# KiCad board einkPDA_keyboard.kicad_pcb
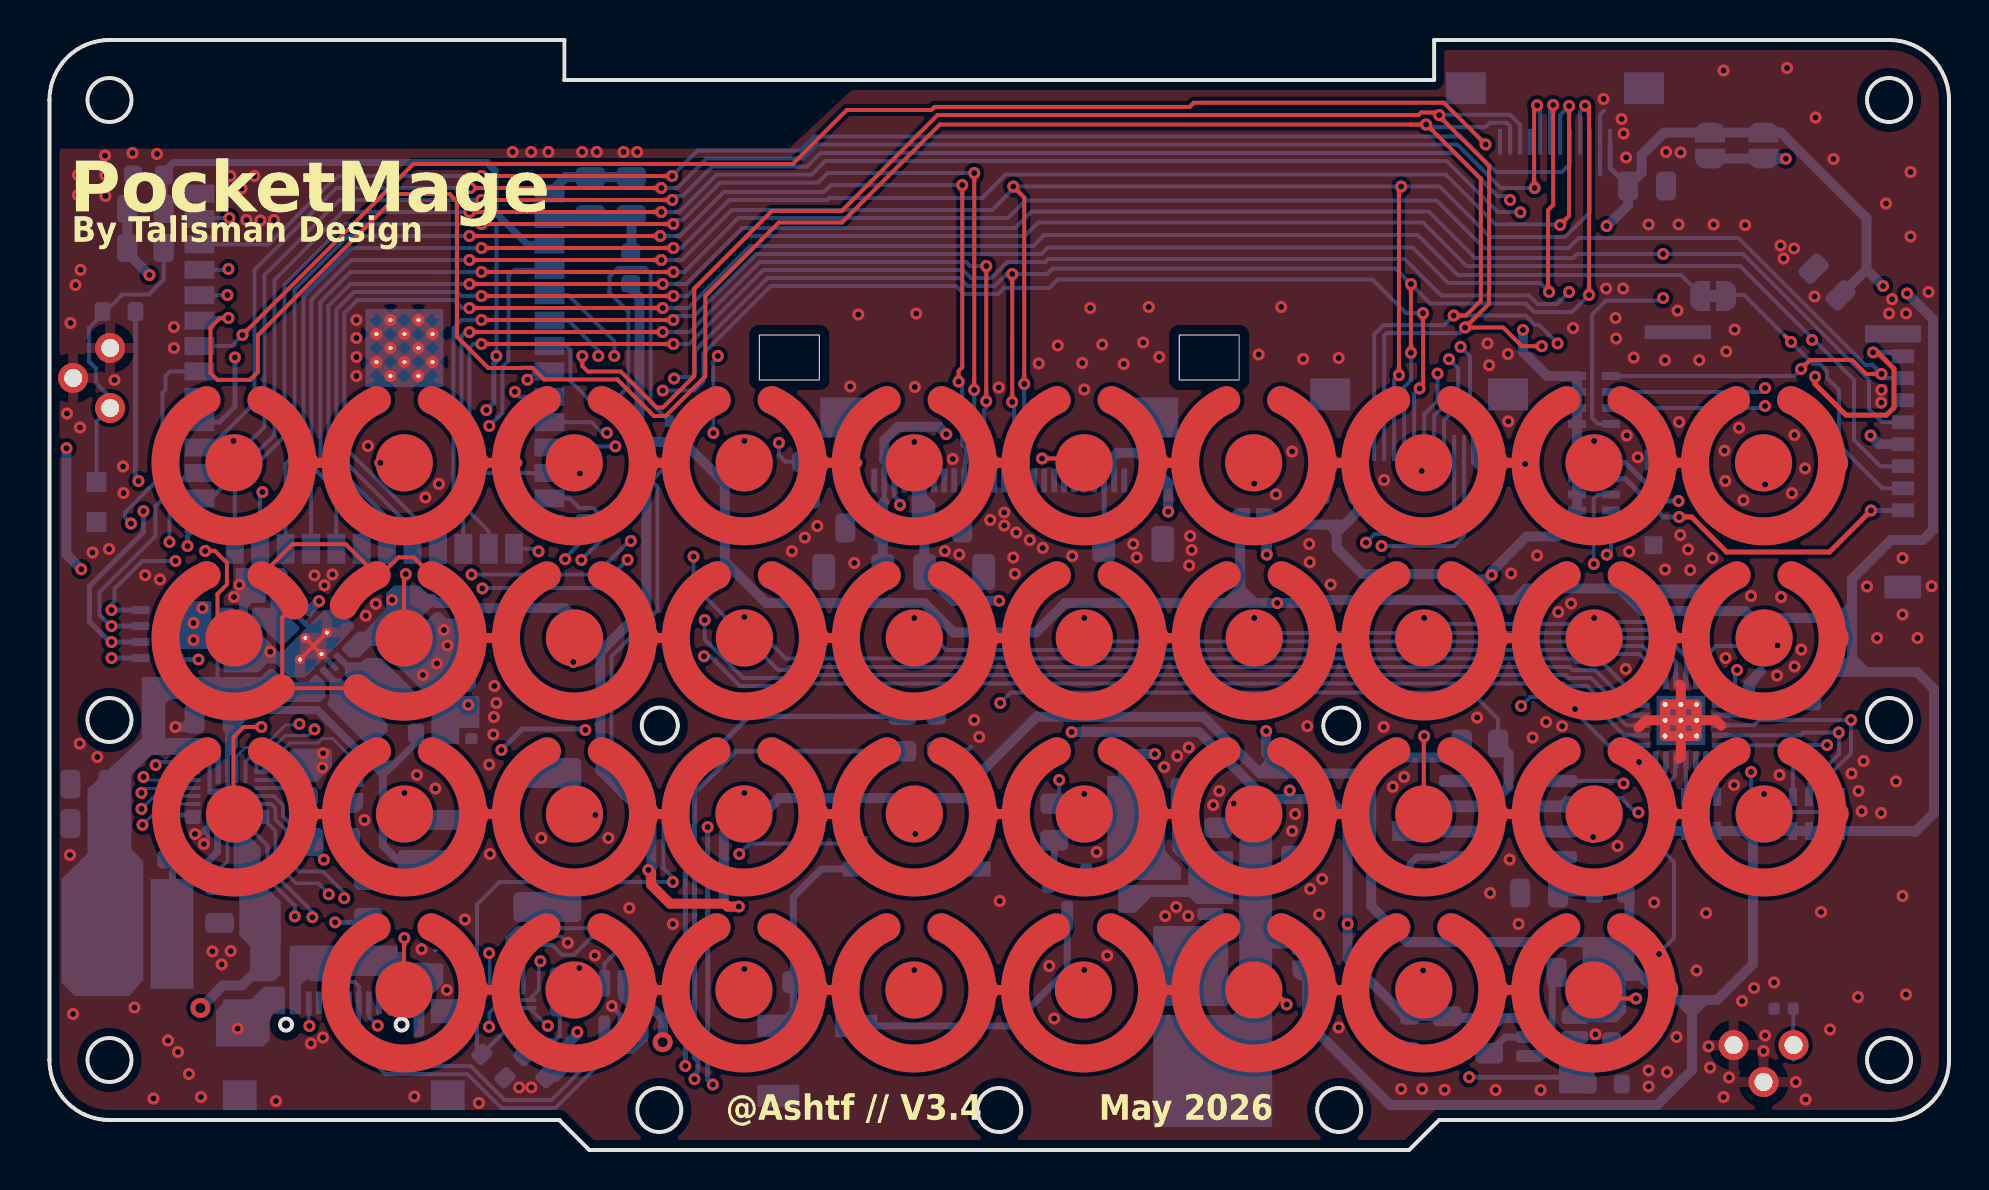
[diagram p0: board, top side]
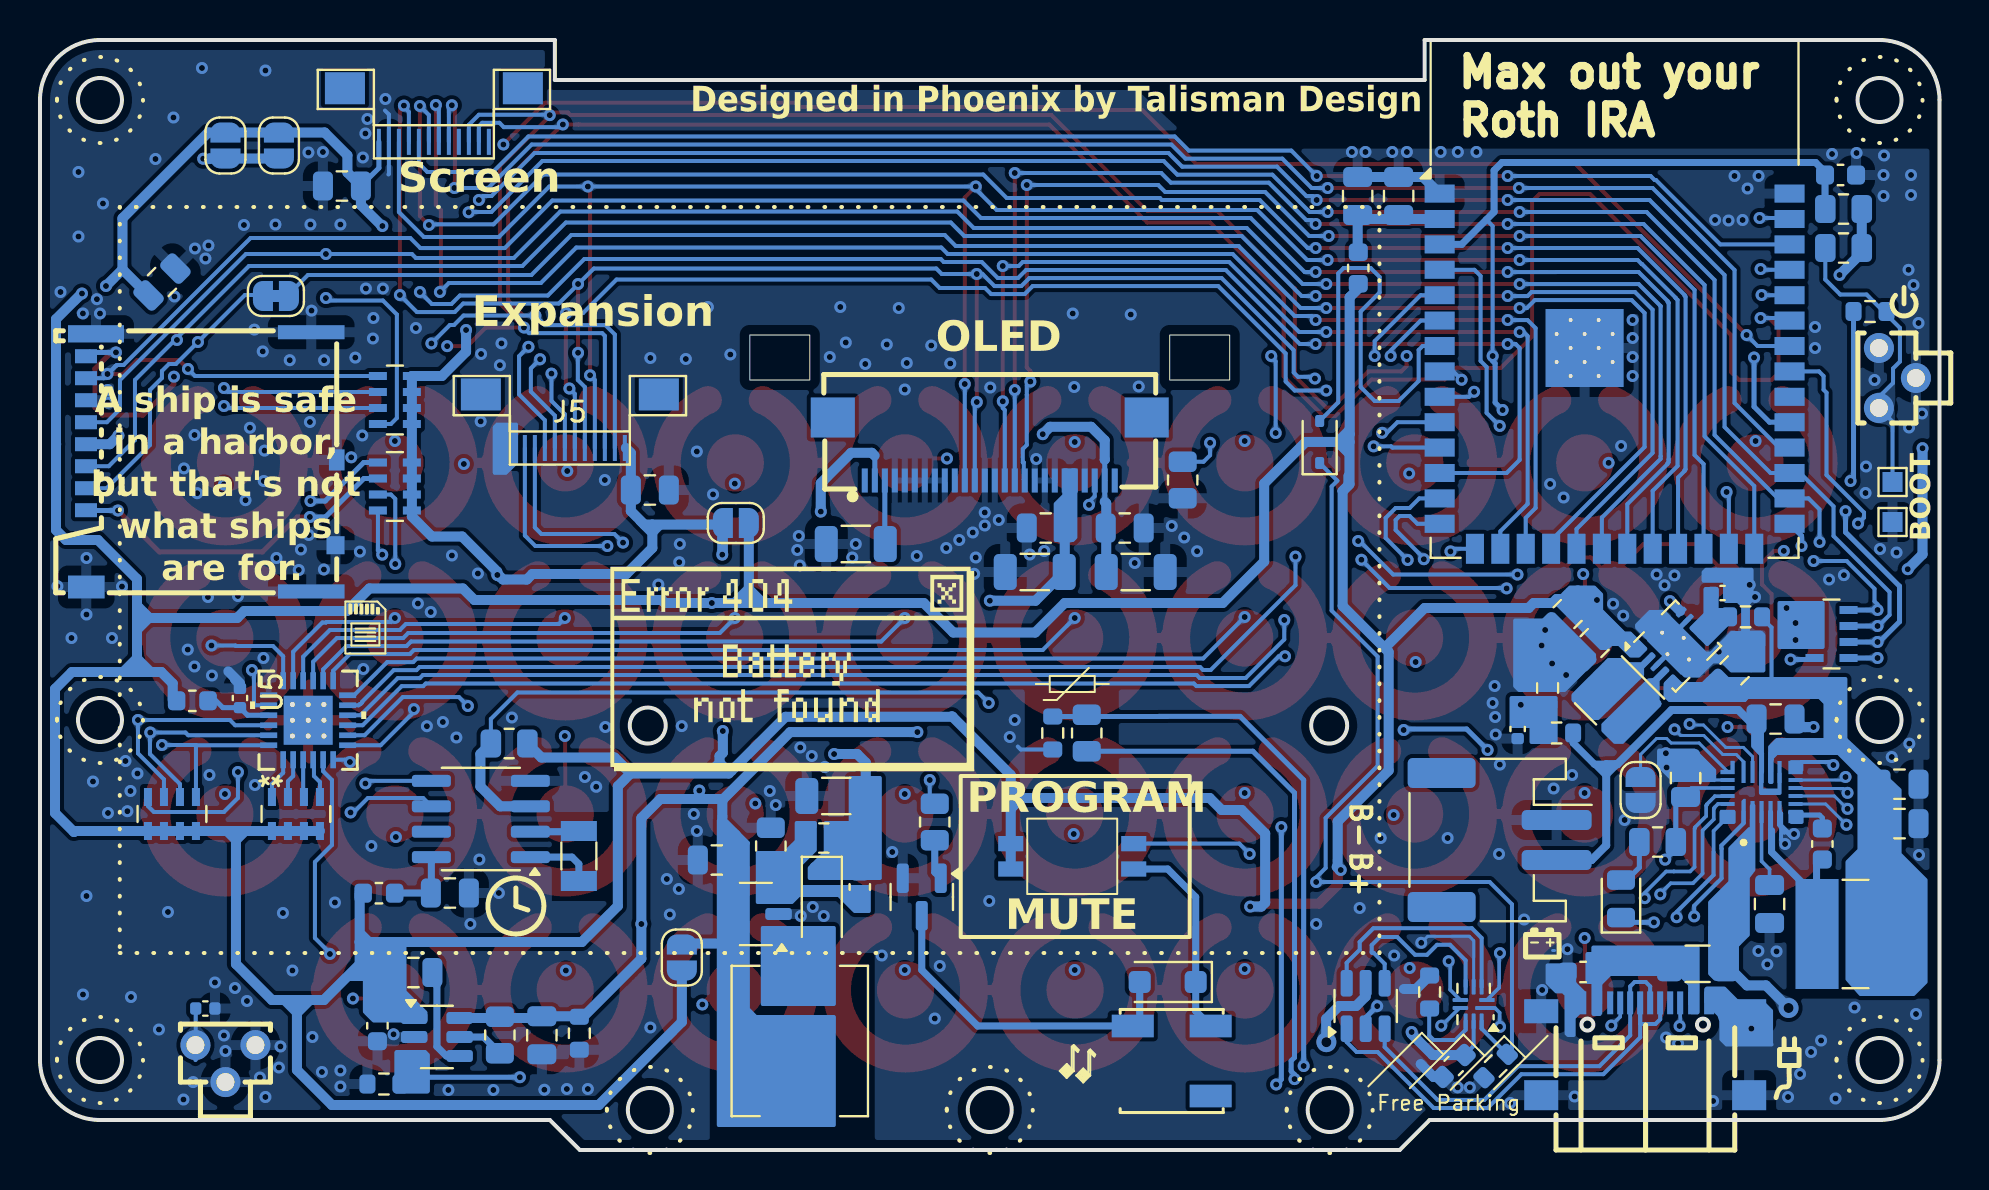
[diagram p1: board, bottom side, seen from below]

Outline 95 x 55.5 mm; copper layers: Top, In1.Cu, In2.Cu, Bottom. Coordinates in mm from the lower left corner of the outline.
Outline path: circle c3,52.5 r1.1 ; circle c3,21.5 r1.1 ; circle c3,4.5 r1.1 ; circle c30.5,2 r1.1 ; circle c30.53,21.22 r0.9 ; rectangle 35.5,40.75 38.5,38.5 ; circle c47.5,2 r1.1 ; rectangle 56.5,40.75 59.5,38.5 ; circle c64.5,2 r1.1 ; circle c64.61,21.22 r0.9 ; circle c92,52.5 r1.1 ; circle c92,21.5 r1.1 ; circle c92,4.5 r1.1 ; 0,52.5 arc(0.88,54.62) 3,55.5 25.75,55.5 25.75,53.5 69.25,53.5 69.25,55.5 92,55.5 arc(94.12,54.62) 95,52.5 95,4.5 arc(94.12,2.38) 92,1.5 69.5,1.5 68,0 27,0 25.5,1.5 3,1.5 arc(0.88,2.38) 0,4.5 0,52.5
Stack: Top 0.035mm / dielectric 0.1mm FR4 er 4.5 / In1.Cu 0.035mm / dielectric 0.64mm FR4 er 4.5 / In2.Cu 0.035mm / dielectric 0.1mm FR4 er 4.5 / Bottom 0.035mm

## Placement (name value [footprint] x y rotation side)
BZ1  Buzzer  [BUZ-SMD_3P_L5.0-W5.0-P3.50-TL]  38.4 4.45 0 bottom
C1  1uF  [C_0603_1608Metric]  4.95 48.75 0 bottom
C2  100nF  [C_0805_2012Metric]  29.1 47.7 270 bottom
C3  22uF  [C_0805_2012Metric]  27.05 47.7 270 bottom
C4  1uF  [C_0603_1608Metric]  78.12 6.21 90 bottom
C5  47uF  [C_0805_2012Metric]  69.9 5.74 270 bottom
C6  1uF  [C_0603_1608Metric]  24.3 4.2 135 bottom
C7  0.1uF  [C_0402_1005Metric]  10.85 27.85 180 bottom
C8  0.1uF  [C_0402_1005Metric]  85 22.6 90 bottom
C9  100nF  [C_0805_2012Metric]  74.5 12.85 0 bottom
C10  10uF  [C_0805_2012Metric]  61.15 14.5 180 bottom
C11  4.7pF  [C_0603_1608Metric]  54 13.15 90 bottom
C12  4.7uF  [C_1206_3216Metric]  55.17 17.7 0 bottom
C13  4.7uF  [C_1206_3216Metric]  40.2 28.9 180 bottom
C14  4.7uF  [C_1206_3216Metric]  54.2 30.3 0 bottom
C15  .1uF  [C_0805_2012Metric]  40.75 31.1 180 bottom
C16  4.7uF  [C_1206_3216Metric]  45.25 28.9 0 bottom
C17  .1uF  [C_0805_2012Metric]  44.7 31.1 0 bottom
C18  680pF  [C_0805_2012Metric]  76.32 8.88 180 bottom
C19  0.1uF  [C_0402_1005Metric]  21.1 21.05 270 bottom
C20  1uF  [C_0603_1608Metric]  17.83 8.9 180 bottom
C21  22uF  [C_0805_2012Metric]  79.9 48.2 180 bottom
C22  22uF  [C_0805_2012Metric]  64.5 33 0 bottom
C23  10uF  [C_0805_2012Metric]  8.5 12.3 90 bottom
C24  10uF  [C_0805_2012Metric]  88.9 43.4 135 bottom
C25  4.7uF  [C_0805_2012Metric]  12.7 18.6 90 bottom
C26  10uF  [C_0805_2012Metric]  8.2 21.55 0 bottom
C27  22nF  [C_0603_1608Metric]  5.86 15.3 90 bottom
C28  10uF  [C_0805_2012Metric]  2 18.29 0 bottom
C29  10uF  [C_0805_2012Metric]  2 16.32 0 bottom
C30  10uF  [C_0805_2012Metric]  10.25 23.98 315 bottom
C31  10uF  [C_0805_2012Metric]  17.25 25.35 135 bottom
C32  10uF  [C_0805_2012Metric]  18.6 26.8 135 bottom
C33  0.1uF  [C_0402_1005Metric]  86.73 7.08 180 bottom
D1  KT-0805Y  [LED_0805_2012Metric]  15.93 12.56 90 bottom
D2  MBR0530  [D_SOD-123]  55.9 12.3 270 bottom
D3  SM4007  [D_SOD-123F]  38.6 8.4 0 bottom
D5  D_Schottky  [D_SOD-323]  31 35.4 90 bottom
F1  SMD1206-500-6V  [Fuse_1206_3216Metric]  12.1 9.31 180 bottom
FB1  FerriteBead  [L_0603_1608Metric]  29.07 44.1 90 bottom
FB2  FerriteBead  [L_0603_1608Metric]  87.38 22.46 0 bottom
FB3  FerriteBead  [L_0603_1608Metric]  78.05 12.84 180 bottom
G***  -  [LOGO]  57.53 23.99 180 bottom
J1  USB_C_Receptacle_USB2.0_16P  [USB-TYPE-C-SMD_TYPE-C-16P-QTWT]  14.72 5.05 180 bottom
J2  Conn_01x12_Pin  [AFC01-S12FCA-00]  75.3 50.41 0 bottom
J3  Conn_01x26_Pin  [FPC-SMD_AFC24-S26FIA [DUAL-SIDE]]  47.5 36.05 180 bottom
J4  Micro_SD_Card  [TF-SMD_503398-1892]  86.43 34.41 90 bottom
J5  Conn_01x12_Pin  [AFC01-S12FCA-00]  68.5 35.1 0 bottom
JP1  SolderJumper_2_Bridged  [SolderJumper-2_P1.3mm_Bridged_RoundedPad1.0x1.5mm]  83.2 42.7 0 bottom
JP2  SolderJumper_2_Open  [SolderJumper-2_P1.3mm_Open_RoundedPad1.0x1.5mm]  62.9 9.62 270 bottom
JP6  SolderJumper_2_Open  [SolderJumper-2_P1.3mm_Open_RoundedPad1.0x1.5mm]  14.95 18 90 bottom
JP7  SolderJumper_2_Open  [SolderJumper-2_P1.3mm_Open_RoundedPad1.0x1.5mm]  60.2 31.35 180 bottom
JP8  SolderJumper_2_Open  [SolderJumper-2_P1.3mm_Open_RoundedPad1.0x1.5mm]  83.05 50.23 270 bottom
JP9  SolderJumper_2_Open  [SolderJumper-2_P1.3mm_Open_RoundedPad1.0x1.5mm]  85.72 50.23 270 bottom
L1  10uH  [L_Chilisin_BMRx00060630]  57 5.45 90 bottom
L2  1uH  [L_Ferrocore_DLG-0504]  4.2 10.8 180 bottom
L3  2.2uH  [L_Wurth_WE-LQSH-3012]  16 22.45 45 bottom
Q1  MMBT3904  [SOT-23]  50.9 12.65 270 bottom
R1  10K  [R_0805_2012Metric]  4.8 47.05 0 bottom
R2  100R  [R_0603_1608Metric]  9.7 26.66 180 bottom
R3  4.7k  [R_0603_1608Metric]  25.5 7.9 90 bottom
R4  1k  [R_0603_1608Metric]  68.03 5.84 270 bottom
R5  470R  [R_0805_2012Metric]  72 5.75 270 bottom
R6  100K  [R_0603_1608Metric]  19.15 20.85 0 bottom
R7  100K  [R_0603_1608Metric]  19.6 23.1 90 bottom
R8  100R  [R_0603_1608Metric]  3.47 41.92 0 bottom
R11  2k  [R_0805_2012Metric]  71.54 20.33 180 bottom
R12  1.8M  [R_0805_2012Metric]  55.8 15.6 0 bottom
R13  205k  [R_0805_2012Metric]  58.45 15.2 90 bottom
R14  10K  [R_0805_2012Metric]  4.8 45.1 0 bottom
R15  470R  [R_0805_2012Metric]  50.25 16.4 270 bottom
R16  2k  [R_0805_2012Metric]  14.1 15.4 180 bottom
R17  10k  [R_0805_2012Metric]  42.65 20.85 270 bottom
R18  10k  [R_0603_1608Metric]  22.2 4.2 315 bottom
R19  100K  [R_0603_1608Metric]  77.8 3.3 0 bottom
R20  680k  [R_0805_2012Metric]  37.85 33.5 270 bottom
RN1  4x10k  [R_Array_Concave_4x0603]  88.4 16.8 90 bottom
RN2  4x10k  [R_Array_Concave_4x0603]  82.2 16.8 270 bottom
RN3  4x10k  [R_Array_Concave_4x0603]  77.25 37.5 0 bottom
RN4  4x10k  [R_Array_Concave_4x0603]  5.4 25.8 0 bottom
RN5  4x10k  [R_Array_Concave_4x0603]  77.25 33.17 0 bottom
SW1  ~  [contact_pad_SINGLE]  9.23 34.36 0 top
SW2  ~  [contactPad_cutoutR]  9.23 25.6 0 top
SW3  ~  [contact_pad_SINGLE]  9.25 16.8 0 top
SW4  SW_DIP_x02  [2X_DIP_DHN-02-V-TR]  43.38 14.69 270 bottom
SW5  ~  [contact_pad_SINGLE]  68.73 34.36 0 top
SW6  ~  [contact_pad_SINGLE]  68.73 25.6 0 top
SW7  ~  [contact_pad_SINGLE]  17.75 34.36 0 top
SW8  ~  [contactPad_cutoutL]  17.73 25.6 0 top
SW9  ~  [contact_pad_SINGLE]  17.75 16.8 0 top
SW10  ~  [contact_pad_SINGLE]  17.73 8 0 top
SW11  ~  [contact_pad_SINGLE]  68.73 16.8 0 top
SW12  ~  [contact_pad_SINGLE]  68.73 8 0 top
SW13  ~  [contact_pad_SINGLE]  26.25 34.36 0 top
SW14  ~  [contact_pad_SINGLE]  26.25 25.6 0 top
SW15  ~  [contact_pad_SINGLE]  26.25 16.8 0 top
SW16  ~  [contact_pad_SINGLE]  26.23 8 0 top
SW17  ~  [contact_pad_SINGLE]  77.25 34.36 0 top
SW18  ~  [contact_pad_SINGLE]  77.25 25.6 0 top
SW19  ~  [contact_pad_SINGLE]  34.75 34.36 0 top
SW20  ~  [contact_pad_SINGLE]  34.75 25.6 0 top
SW21  ~  [contact_pad_SINGLE]  34.73 16.8 0 top
SW22  ~  [contact_pad_SINGLE]  34.73 8 0 top
SW23  ~  [contact_pad_SINGLE]  77.25 16.8 0 top
SW24  ~  [contact_pad_SINGLE]  77.23 8 0 top
SW25  ~  [contact_pad_SINGLE]  43.25 34.36 0 top
SW26  ~  [contact_pad_SINGLE]  43.25 25.6 0 top
SW27  ~  [contact_pad_SINGLE]  43.25 16.8 0 top
SW28  ~  [contact_pad_SINGLE]  43.23 8 0 top
SW29  ~  [contact_pad_SINGLE]  85.73 34.36 0 top
SW30  ~  [contact_pad_SINGLE]  85.75 25.6 0 top
SW31  ~  [contact_pad_SINGLE]  51.75 34.36 0 top
SW32  ~  [contact_pad_SINGLE]  51.75 25.6 0 top
SW33  ~  [contact_pad_SINGLE]  51.75 16.8 0 top
SW34  ~  [contact_pad_SINGLE]  51.71 8 0 top
SW35  ~  [contact_pad_SINGLE]  85.75 16.8 0 top
SW36  YTS-C017-2B  [KEY-TH_3P-L4.5-W4.5-P3.0-EH]  2.11 38.6 90 bottom
SW37  ~  [contact_pad_SINGLE]  60.23 34.36 0 top
SW38  ~  [contact_pad_SINGLE]  60.25 25.6 0 top
SW39  ~  [contact_pad_SINGLE]  60.23 16.8 0 top
SW40  ~  [contact_pad_SINGLE]  60.23 8 0 top
SW41  YTS-C017-2B  [KEY-TH_3P-L4.5-W4.5-P3.0-EH]  85.72 4.32 180 bottom
TH1  NTC  [R_0603_1608Metric]  44.35 20.85 270 bottom
TP1  TestPoint  [TestPoint_Pad_1.0x1.0mm]  2.35 33.4 270 bottom
TP2  TestPoint  [TestPoint_Pad_1.0x1.0mm]  2.35 31.4 270 bottom
U1  ESP32-S3-WROOM-1-N16R2  [ESP32-S3-WROOM-1]  16.25 42.56 180 bottom
U2  USBLC6-2SC6  [SOT-23-6]  28.7 7.2 90 bottom
U3  TPS63001  [Texas_DRC0010J_ThermalVias]  13.2 25.2 135 bottom
U4  PCF8563T  [SOIC-8_3.9x4.9mm_P1.27mm]  72.95 16.55 0 bottom
U5  TCA8418RTWR  [RTW24_2P45X2P45]  81.59 21.49 90 bottom
U6  C2764211  [JST_PH_2P_P2.00mm]  22 15.5 270 bottom
U7  TPS61040DBV  [SOT-23-5]  59.2 11.8 0 bottom
U8  TPS22917DBV  [SOT-23-6]  75.15 5.65 180 bottom
U9  MP2722GRH-0000-Z  [IC_MP2722GRH-0000-Z]  8.9 17.9 90 bottom
U10  TS3USB30ERSWR  [UQFN-10_1.4x1.8mm_P0.4mm]  23.3 7.3 0 bottom
Y1  Crystal_32.768kHz  [Crystal_SMD_3215-2Pin_3.2x1.5mm]  68.05 14.7 270 bottom

## Library data of the parts
BZ1 = -: Description: Buzzer, polarized; LCSC Part #: C781883; ki_fp_filters: *Buzzer*
C1 C4 C6 C20 = -: Description: Unpolarized capacitor; LCSC Part #: C15849; ki_fp_filters: C_*
C2 C9 = -: Datasheet: https://www.yageo.com/upload/media/product/productsearch/datasheet/mlcc/UPY-GPHC_X7R_6.3V-to-50V_20.pdf; Description: Multilayer Ceramic Capacitors MLCC - SMD/SMT 50 V 0.1uF X7R 0805 10%; Height: 0.95; Mouser Part Number: 603-CC805KRX7R9BB104; Mouser Price/Stock: https://www.mouser.co.uk/ProductDetail/YAGEO/CC0805KRX7R9BB104?qs=vTakOoo5QyLx0lXWgVtRhQ%3D%3D; Manufacturer_Name: YAGEO; LCSC Part #: C49678
C3 C21 C22 = -: Datasheet: https://datasheet.datasheetarchive.com/originals/distributors/Datasheets-DGA10/2406310.pdf; Description: Samsung; Height: 1.4; Mouser Part Number: 187-CL21A226MAQNNNE; Mouser Price/Stock: https://www.mouser.co.uk/ProductDetail/Samsung-Electro-Mechanics/CL21A226MAQNNNE?qs=yOVawPpwOwn5SPpGykCwnw%3D%3D; Manufacturer_Name: SAMSUNG; LCSC Part #: C45783
C5 = -: Description: Unpolarized capacitor; LCSC Part #: C124129; ki_fp_filters: C_*
C7 C8 C19 C33 = -: Description: Unpolarized capacitor; LCSC Part #: C1525; ki_fp_filters: C_*
C10 C23 C26 C28-C32 = -: Description: Unpolarized capacitor; LCSC PART #: C15850; LCSC Part #: C15850; ki_fp_filters: C_*
C11 = -: Description: Unpolarized capacitor; LCSC PART #: C1669; LCSC Part #: C1669; ki_fp_filters: C_*
C12-C14 C16 = -: Description: Unpolarized capacitor; LCSC PART #: C29823; LCSC Part #: C29823; ki_fp_filters: C_*
C15 C17 = -: Description: Unpolarized capacitor; LCSC PART #: C28233; LCSC Part #: C28233; ki_fp_filters: C_*
C18 = -: Description: Unpolarized capacitor; LCSC Part #: C1754; ki_fp_filters: C_*
C24 = -: Description: Unpolarized capacitor; LCSC Part #: C15850; ki_fp_filters: C_*
C25 = -: Description: Unpolarized capacitor; LCSC Part #: C1779; ki_fp_filters: C_*
C27 = -: Description: Unpolarized capacitor; LCSC Part #: C21122; ki_fp_filters: C_*
D1 = -: Description: Light emitting diode; LCSC Part #: C2296; ki_fp_filters: LED* LED_SMD:* LED_THT:*
D2 = -: Description: Diode; Sim.Device: D; Sim.Pins: 1=K 2=A; LCSC PART #: C77336; LCSC Part #: C77336; ki_fp_filters: TO-???* *_Diode_* *SingleDiode* D_*
D3 = -: Datasheet: http://cdn-reichelt.de/documents/datenblatt/A400/SMD1N400%23DIO.pdf; Description: 1000V 1A General Purpose Rectifier Diode, MELF; Sim.Device: D; Sim.Pins: 1=K 2=A; LCSC Part #: C64898; ki_fp_filters: D*MELF*
D5 = -: Description: Schottky diode; LCSC Part #: C191023; ki_fp_filters: TO-???* *_Diode_* *SingleDiode* D_*
F1 = -: Description: Resettable fuse, polymeric positive temperature coefficient; LCSC Part #: C2760308; ki_fp_filters: *polyfuse* *PTC*
FB1-FB3 = -: Description: Ferrite bead; LCSC Part #: C85831; ki_fp_filters: Inductor_* L_* *Ferrite*
J1 = -: Datasheet: https://www.usb.org/sites/default/files/documents/usb_type-c.zip; Description: USB 2.0-only 16P Type-C Receptacle connector; LCSC Part #: C5187472; ki_fp_filters: USB*C*Receptacle*
J2 J5 = -: Description: Generic connector, single row, 01x12, script generated; LCSC Part #: C262661; ki_fp_filters: Connector*:*_1x??_*
J3 = -: Description: Generic connector, single row, 01x26, script generated; LCSC PART #: C262684; LCSC Part #: C262684; ki_fp_filters: Connector*:*_1x??_*
J4 = -: Datasheet: http://katalog.we-online.de/em/datasheet/693072010801.pdf; Description: Micro SD Card Socket; LCSC Part #: C428492; ki_fp_filters: microSD*
JP1 = -: Description: Solder Jumper, 2-pole, closed/bridged; ki_fp_filters: SolderJumper*Bridged*
JP2 JP6-JP9 = -: Description: Solder Jumper, 2-pole, open; ki_fp_filters: SolderJumper*Open*
L1 = -: Description: Inductor; LCSC PART #: C5189958; LCSC Part #: C5189958; ki_fp_filters: Choke_* *Coil* Inductor_* L_*
L2 = -: Description: Inductor; LCSC Part #: C2929426; ki_fp_filters: Choke_* *Coil* Inductor_* L_*
L3 = -: Description: Inductor; LCSC Part #: C167747; ki_fp_filters: Choke_* *Coil* Inductor_* L_*
Q1 = -: Datasheet: https://www.onsemi.com/pdf/datasheet/pzt3904-d.pdf; Description: 0.2A Ic, 40V Vce, Small Signal NPN Transistor, SOT-23; LCSC Part #: C20526; ki_fp_filters: SOT?23*
R1 R14 = -: Datasheet: https://www.mouser.de/datasheet/2/1365/1-3044649.pdf; Description: Thick Film Resistors - SMD RMC 0805 1/8W 1% T/R-5000; Height: 0.65; Mouser Part Number: 303-0805W8F1002T5E; Mouser Price/Stock: https://www.mouser.co.uk/ProductDetail/Royalohm/0805W8F1002T5E?qs=e8oIoAS2J1QfYPOBCQ0fIg%3D%3D; Manufacturer_Name: ROYALOHM; LCSC Part #: C17414
R2 R8 = -: Description: Resistor; LCSC Part #: C22775; ki_fp_filters: R_*
R3 = -: Description: Resistor; LCSC Part #: C23162; ki_fp_filters: R_*
R4 = -: Description: Resistor; LCSC Part #: C21190; ki_fp_filters: R_*
R5 R15 = -: Description: Resistor; LCSC Part #: C17710; ki_fp_filters: R_*
R6 R7 R19 = -: Description: Resistor; LCSC Part #: C25803; ki_fp_filters: R_*
R11 R16 = -: Description: Resistor; LCSC Part #: C17604; ki_fp_filters: R_*
R12 = -: Description: Resistor; LCSC PART #: C17399; LCSC Part #: C17399; ki_fp_filters: R_*
R13 = -: Description: Resistor; LCSC PART #: C218417; LCSC Part #: C218417; ki_fp_filters: R_*
R17 = -: Description: Resistor; LCSC Part #: C17414; ki_fp_filters: R_*
R18 = -: Description: Resistor; LCSC Part #: C25804; ki_fp_filters: R_*
R20 = -: Description: Resistor; LCSC PART #: C17797; LCSC Part #: C17797; ki_fp_filters: R_*
RN1-RN5 = -: Description: 4 resistor network, parallel topology; LCSC Part #: C29718; ki_fp_filters: DIP* SOIC* R*Array*Concave* R*Array*Convex* MSOP*
SW4 = -: Description: 2x DIP Switch, Single Pole Single Throw (SPST) switch, small symbol; LCSC Part #: C224995; ki_fp_filters: SW?DIP?x2*
SW36 SW41 = -: Manufacturer: YIYUAN(怡远); Supplier Part: C2910872; Supplier: LCSC; LCSC Part #: C2910872
TH1 = -: Description: Temperature dependent resistor, negative temperature coefficient; LCSC Part #: C76589; ki_fp_filters: *NTC* *Thermistor* PIN?ARRAY* bornier* *Terminal?Block* R_*
TP1 TP2 = -: Description: test point; ki_fp_filters: Pin* Test*
U1 = -: Datasheet: https://www.espressif.com/sites/default/files/documentation/esp32-s3-wroom-1_wroom-1u_datasheet_en.pdf; Description: RF Module, ESP32-S3 SoC, Wi-Fi 802.11b/g/n, Bluetooth, BLE, 32-bit, 3.3V, onboard antenna, SMD; LCSC Part #: C2913205; ki_fp_filters: ESP32?S3?WROOM?1*
U2 = -: Datasheet: https://www.st.com/resource/en/datasheet/usblc6-2.pdf; Description: Very low capacitance ESD protection diode, 2 data-line, SOT-23-6; LCSC Part #: C7519; ki_fp_filters: SOT?23*
U3 = -: Datasheet: http://www.ti.com/lit/ds/symlink/tps63000.pdf; Description: Buck-Boost Converter, 1.8-5.5V Input Voltage, 1.7A Switch Current, 3.3V Output Voltage, VSON-10; LCSC Part #: C28060; ki_fp_filters: Texas*DRC0010J*
U4 = -: Datasheet: https://www.nxp.com/docs/en/data-sheet/PCF8563.pdf; Description: Realtime Clock/Calendar I2C Interface, SOIC-8; LCSC Part #: C7440; ki_fp_filters: SOIC*3.9x4.9mm*P1.27mm*
U5 = -: LCSC Part #: C138713; ki_fp_filters: RTW24_2P45X2P45
U7 = -: Datasheet: http://www.ti.com/lit/ds/symlink/tps61040.pdf; Description: Synchronous Boost Regulator, Adjustable Output up to 28V, 400 mA Switch Current Limit, SOT-23-5; LCSC PART #: C7722; LCSC Part #: C7722; ki_fp_filters: SOT?23*
U8 = -: Datasheet: http://www.ti.com/lit/ds/symlink/tps22917.pdf; Description: 1V to 5.5V, 2A, 80mΩ Ultra-Low Leakage Load Switch, SOT23-6; LCSC Part #: C2680344; ki_fp_filters: SOT?23*
U9 = -: MF: Monolithic Power Systems; MAXIMUM_PACKAGE_HEIGHT: 1.00 mm; Package: PowerVFQFN-22 Monolithic Power Systems; Price: None; Check_prices: https://www.snapeda.com/parts/MP2722GRH-0000-Z/Monolithic+Power+Systems/view-part/?ref=eda; STANDARD: Manufacturer Recommendations; PARTREV: 1.0; SnapEDA_Link: https://www.snapeda.com/parts/MP2722GRH-0000-Z/Monolithic+Power+Systems/view-part/?ref=snap; Description_1: Battery Charger Li-Ion/Li-Pol 1-Cell 3A 5V to 5.35V 22-Pin QFN T/R; Availability: In Stock; MANUFACTURER: Monolithic Power Systems; LCSC Part #: C20099551
U10 = -: Datasheet: https://www.ti.com/lit/ds/symlink/ts3usb30e.pdf; Description: ESD-Protected, High-Speed USB 2.0 (480-Mbps) 1:2 Multiplexer/Demultiplexer Switch With Single Enable, UQFN-10; LCSC Part #: C73880; ki_fp_filters: UQFN*1.4x1.8mm*P0.4mm*
Y1 = -: Description: Two pin crystal; LCSC Part #: C5213671; ki_fp_filters: Crystal*

## Footprints (pads in the part's own frame, mm; a bottom-side part is the same pattern mirrored in y, then rotated)
2X_DIP_DHN-02-V-TR
  rect 0.76x1.25 smd: 1(-0.635,-3.075) 2(0.635,-3.075) 3(0.635,3.075) 4(-0.635,3.075)
AFC01-S12FCA-00
  rect 2x1.6 smd: 0(-4.45,-2.68) 0(4.45,-2.68)
  rect 0.2x1.3 smd: 1(-2.75,0) 2(-2.25,0) 3(-1.75,0) 4(-1.25,0) 5(-0.75,0) 6(-0.25,0) 7(0.25,0) 8(0.75,0) 9(1.25,0) 10(1.75,0) 11(2.25,0) 12(2.75,0)
BUZ-SMD_3P_L5.0-W5.0-P3.50-TL
  rect 2.1x1.13 smd: 1(-1.947,-1.75) 2(1.947,-1.75) 3(-1.947,1.75)
C_0402_1005Metric
  rrect 0.56x0.62 smd: 1(-0.48,0) 2(0.48,0)
C_0603_1608Metric
  rrect 0.9x0.95 smd: 1(-0.775,0) 2(0.775,0)
C_0805_2012Metric
  rrect 1x1.45 smd: 1(-0.95,0) 2(0.95,0)
C_1206_3216Metric
  rrect 1.15x1.8 smd: 1(-1.475,0) 2(1.475,0)
contact_pad_SINGLE
  round 2.86 smd: 1(0,0)
  custom 8.356x7.966 smd: 2(3.48,0)
contactPad_cutoutL
  round 2.86 smd: 1(0,0)
  rrect 0.762x0.508 smd: 2(-3,1.6) 2(3.5,0)
contactPad_cutoutR
  round 2.86 smd: 1(0,0)
  rrect 0.762x0.508 smd: 2(-3.4,0) 2(3,1.6)
Crystal_SMD_3215-2Pin_3.2x1.5mm
  rect 1x1.8 smd: 1(1.25,0) 2(-1.25,0)
D_SOD-123
  rrect 0.9x1.2 smd: 1(-1.65,0) 2(1.65,0)
D_SOD-123F
  rrect 1.1x1.1 smd: 1(-1.4,0) 2(1.4,0)
D_SOD-323
  rrect 0.6x0.45 smd: 1(-1.05,0) 2(1.05,0)
ESP32-S3-WROOM-1
  rect 0.9x0.9 smd: (-2.9,-3.86) (-2.9,-2.46) (-2.9,-1.06) (-1.5,-3.86) (-1.5,-2.46) (-1.5,-1.06) (-0.1,-3.86) (-0.1,-2.46) (-0.1,-1.06)
  rect 1.5x0.9 smd: 1(-8.75,5.26) 2(-8.75,3.99) 3(-8.75,2.72) 4(-8.75,1.45) 5(-8.75,0.18) 6(-8.75,-1.09) 7(-8.75,-2.36) 8(-8.75,-3.63) 9(-8.75,-4.9) 10(-8.75,-6.17) 11(-8.75,-7.44) 12(-8.75,-8.71) 13(-8.75,-9.98) 14(-8.75,-11.25) 27(8.75,-11.25) 28(8.75,-9.98) 29(8.75,-8.71) 30(8.75,-7.44) 31(8.75,-6.17) 32(8.75,-4.9) 33(8.75,-3.63) 34(8.75,-2.36) 35(8.75,-1.09) 36(8.75,0.18) 37(8.75,1.45) 38(8.75,2.72) 39(8.75,3.99) 40(8.75,5.26)
  rect 0.9x1.5 smd: 15(-6.985,-12.5) 16(-5.715,-12.5) 17(-4.445,-12.5) 18(-3.175,-12.5) 19(-1.905,-12.5) 20(-0.635,-12.5) 21(0.635,-12.5) 22(1.905,-12.5) 23(3.175,-12.5) 24(4.445,-12.5) 25(5.715,-12.5) 26(6.985,-12.5)
  round 0.6 hole 0.2: 41(-2.9,-3.16) 41(-2.9,-1.76) 41(-2.2,-3.86) 41(-2.2,-2.46) 41(-2.2,-1.06) 41(-1.5,-3.16) 41(-1.5,-1.76) 41(-0.8,-3.86) 41(-0.8,-2.46) 41(-0.8,-1.06) 41(-0.1,-3.16) 41(-0.1,-1.76)
  rect 3.9x3.9 smd: 41(-1.5,-2.46)
FPC-SMD_AFC24-S26FIA [DUAL-SIDE]
  rect 2.2x2 smd: (-7.85,0.576) (7.85,0.576)
  rect 0.3x1.2 smd: 1(-6.25,-2.574) 2(-5.748,-2.574) 3(-5.248,-2.574) 4(-4.748,-2.574) 5(-4.248,-2.574) 6(-3.748,-2.574) 7(-3.248,-2.574) 8(-2.748,-2.574) 9(-2.248,-2.574) 10(-1.748,-2.574) 11(-1.248,-2.574) 12(-0.748,-2.574) 13(-0.248,-2.574) 14(0.252,-2.574) 15(0.752,-2.574) 16(1.252,-2.574) 17(1.752,-2.574) 18(2.252,-2.574) 19(2.754,-2.573) 20(3.252,-2.574) 21(3.75,-2.576) 22(4.25,-2.576) 23(4.75,-2.576) 24(5.25,-2.576) 25(5.75,-2.576) 26(6.25,-2.576)
Fuse_1206_3216Metric
  rrect 1.25x1.75 smd: 1(-1.4,0) 2(1.4,0)
IC_MP2722GRH-0000-Z
  custom 1.21x0.21 smd: 1(-1,0.9)
  rect 1.1x0.2 smd: 2(-1,0.45) 3(-1,0) 4(-1,-0.45) 5(-1,-0.9) 12(1,-0.9) 13(1,-0.45) 14(1,0) 15(1,0.45) 16(1,0.9)
  custom 0.66x0.71 smd: 6(-1,-1.45) 11(1,-1.45) 17(1,1.45) 22(-1,1.45)
  rect 0.2x0.7 smd: 7(-0.6,-1.7) 8(-0.2,-1.7) 9(0.2,-1.7) 10(0.6,-1.7) 18(0.6,1.7) 19(0.2,1.7) 20(-0.2,1.7) 21(-0.6,1.7)
JST_PH_2P_P2.00mm
  rrect 1.5x3.4 smd: (-3.35,-2.9) (3.35,-2.9)
  rrect 1x3.5 smd: 1(-1,2.85) 3(1,2.85)
KEY-TH_3P-L4.5-W4.5-P3.0-EH
  oval 1.5x1.5 hole 0.9: 1(-1.5,0.925) 2(1.5,0.925) 3(0,-0.925)
L_0603_1608Metric
  rrect 0.875x0.95 smd: 1(-0.787,0) 2(0.787,0)
L_Chilisin_BMRx00060630
  rrect 2.35x3.5 smd: 1(-3.025,0) 2(3.025,0)
L_Ferrocore_DLG-0504
  rect 2.15x5.5 smd: 1(-1.925,0) 2(1.925,0)
L_Wurth_WE-LQSH-3012
  rect 0.85x2.8 smd: 1(-1.175,0) 2(1.175,0)
LED_0805_2012Metric
  rrect 0.975x1.4 smd: 1(-0.938,0) 2(0.938,0)
R_0603_1608Metric
  rrect 0.8x0.95 smd: 1(-0.825,0) 2(0.825,0)
R_0805_2012Metric
  rrect 1.025x1.4 smd: 1(-0.912,0) 2(0.912,0)
R_Array_Concave_4x0603
  rect 0.9x0.4 smd: 1(-0.85,1.2) 2(-0.85,0.4) 3(-0.85,-0.4) 4(-0.85,-1.2) 5(0.85,-1.2) 6(0.85,-0.4) 7(0.85,0.4) 8(0.85,1.2)